# Altium PCB HW_Dron_V2.PcbDoc (part 1 of 2)
Units mil, origin at the board's own origin, x right, y up, seen from the top; angles counter-clockwise.
Board outline 3775.2 x 3550 mil, 2 copper layers (Top Layer, Bottom Layer); 111 components, 150 nets, 616 pads, 477 vias.
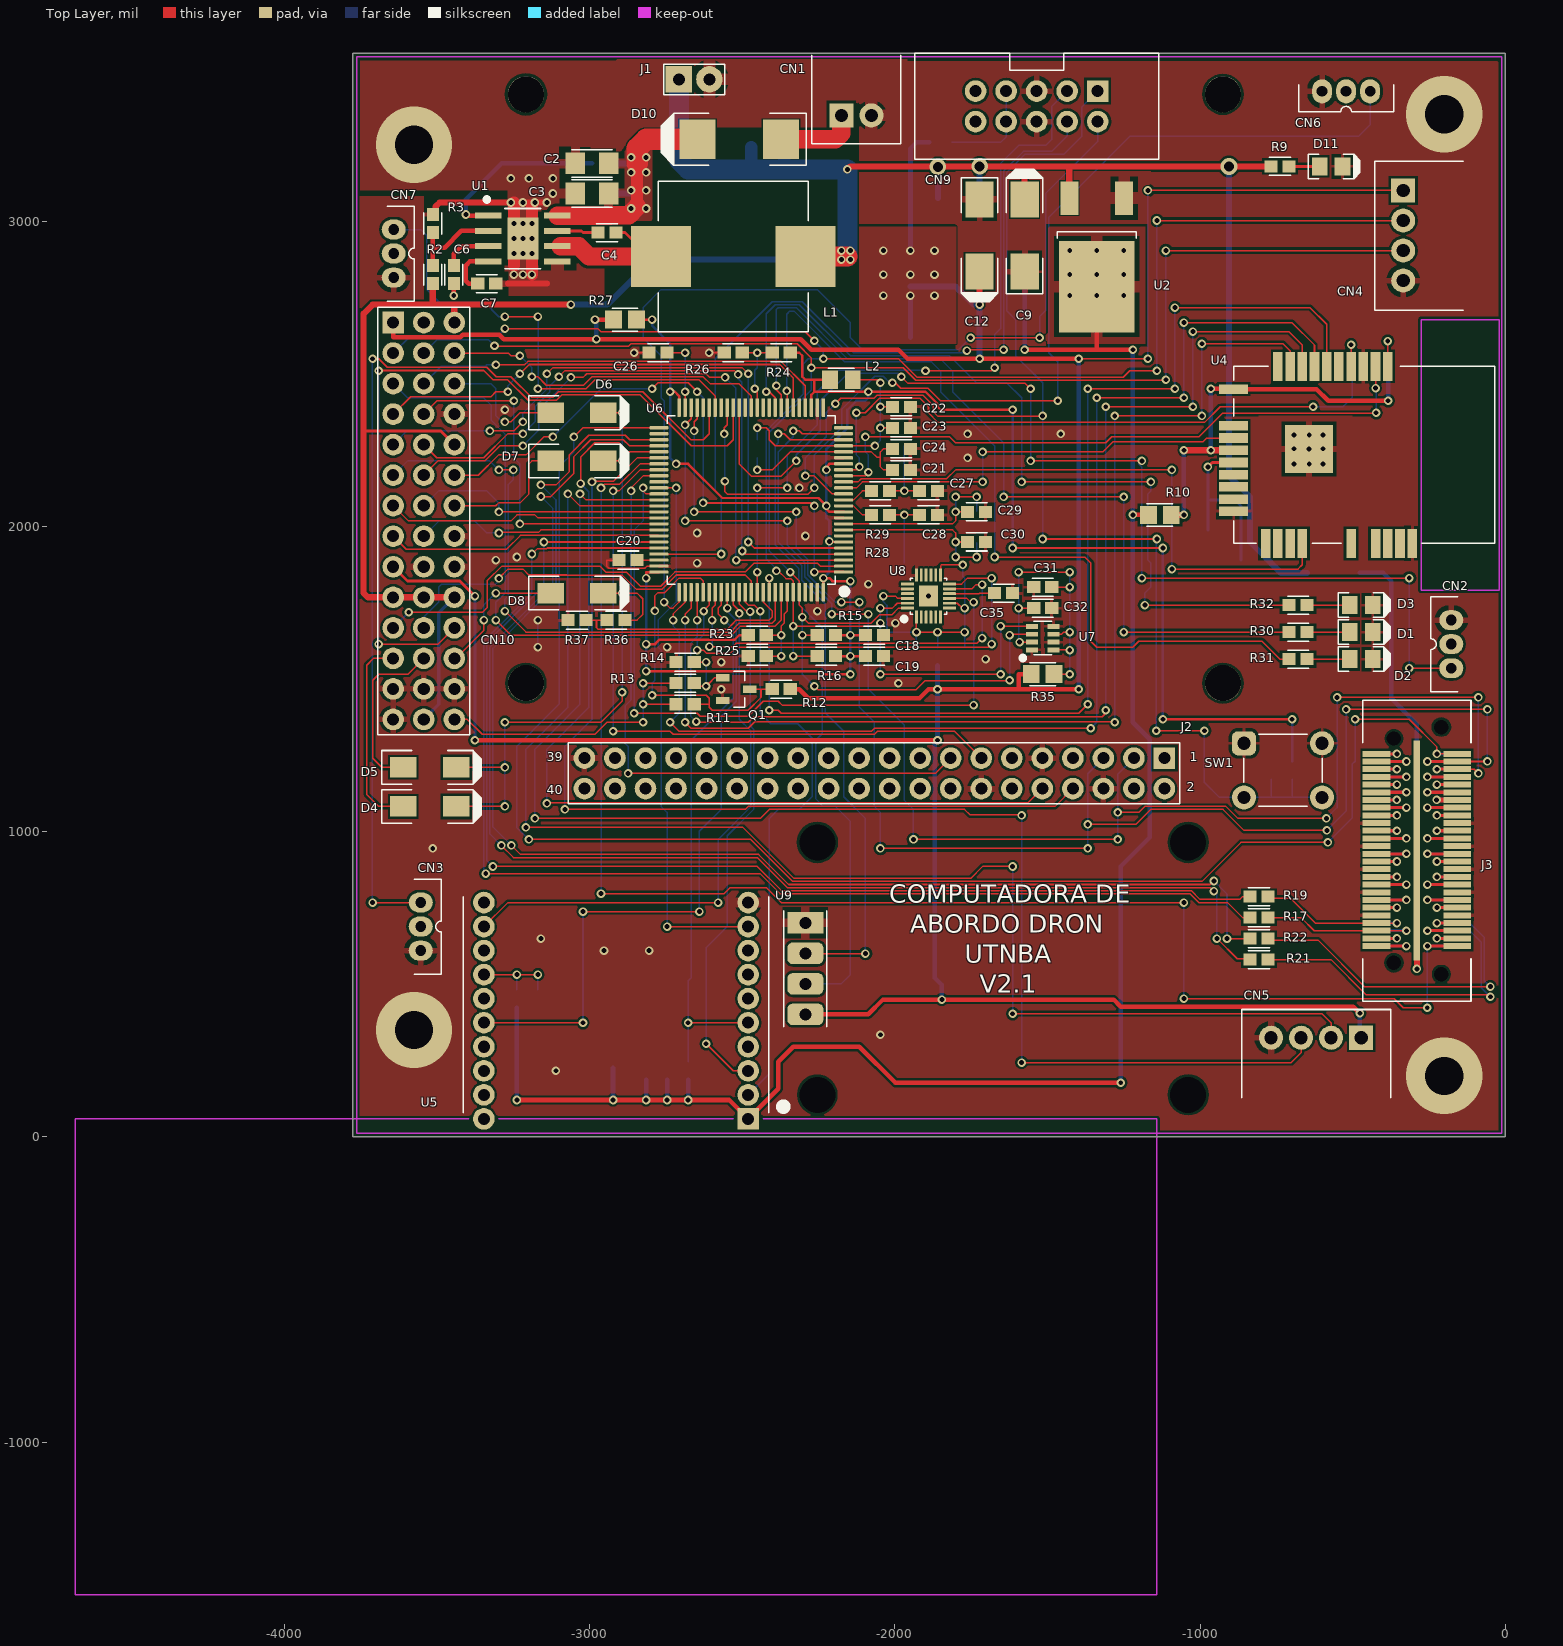
[diagram p0: Top Layer view]
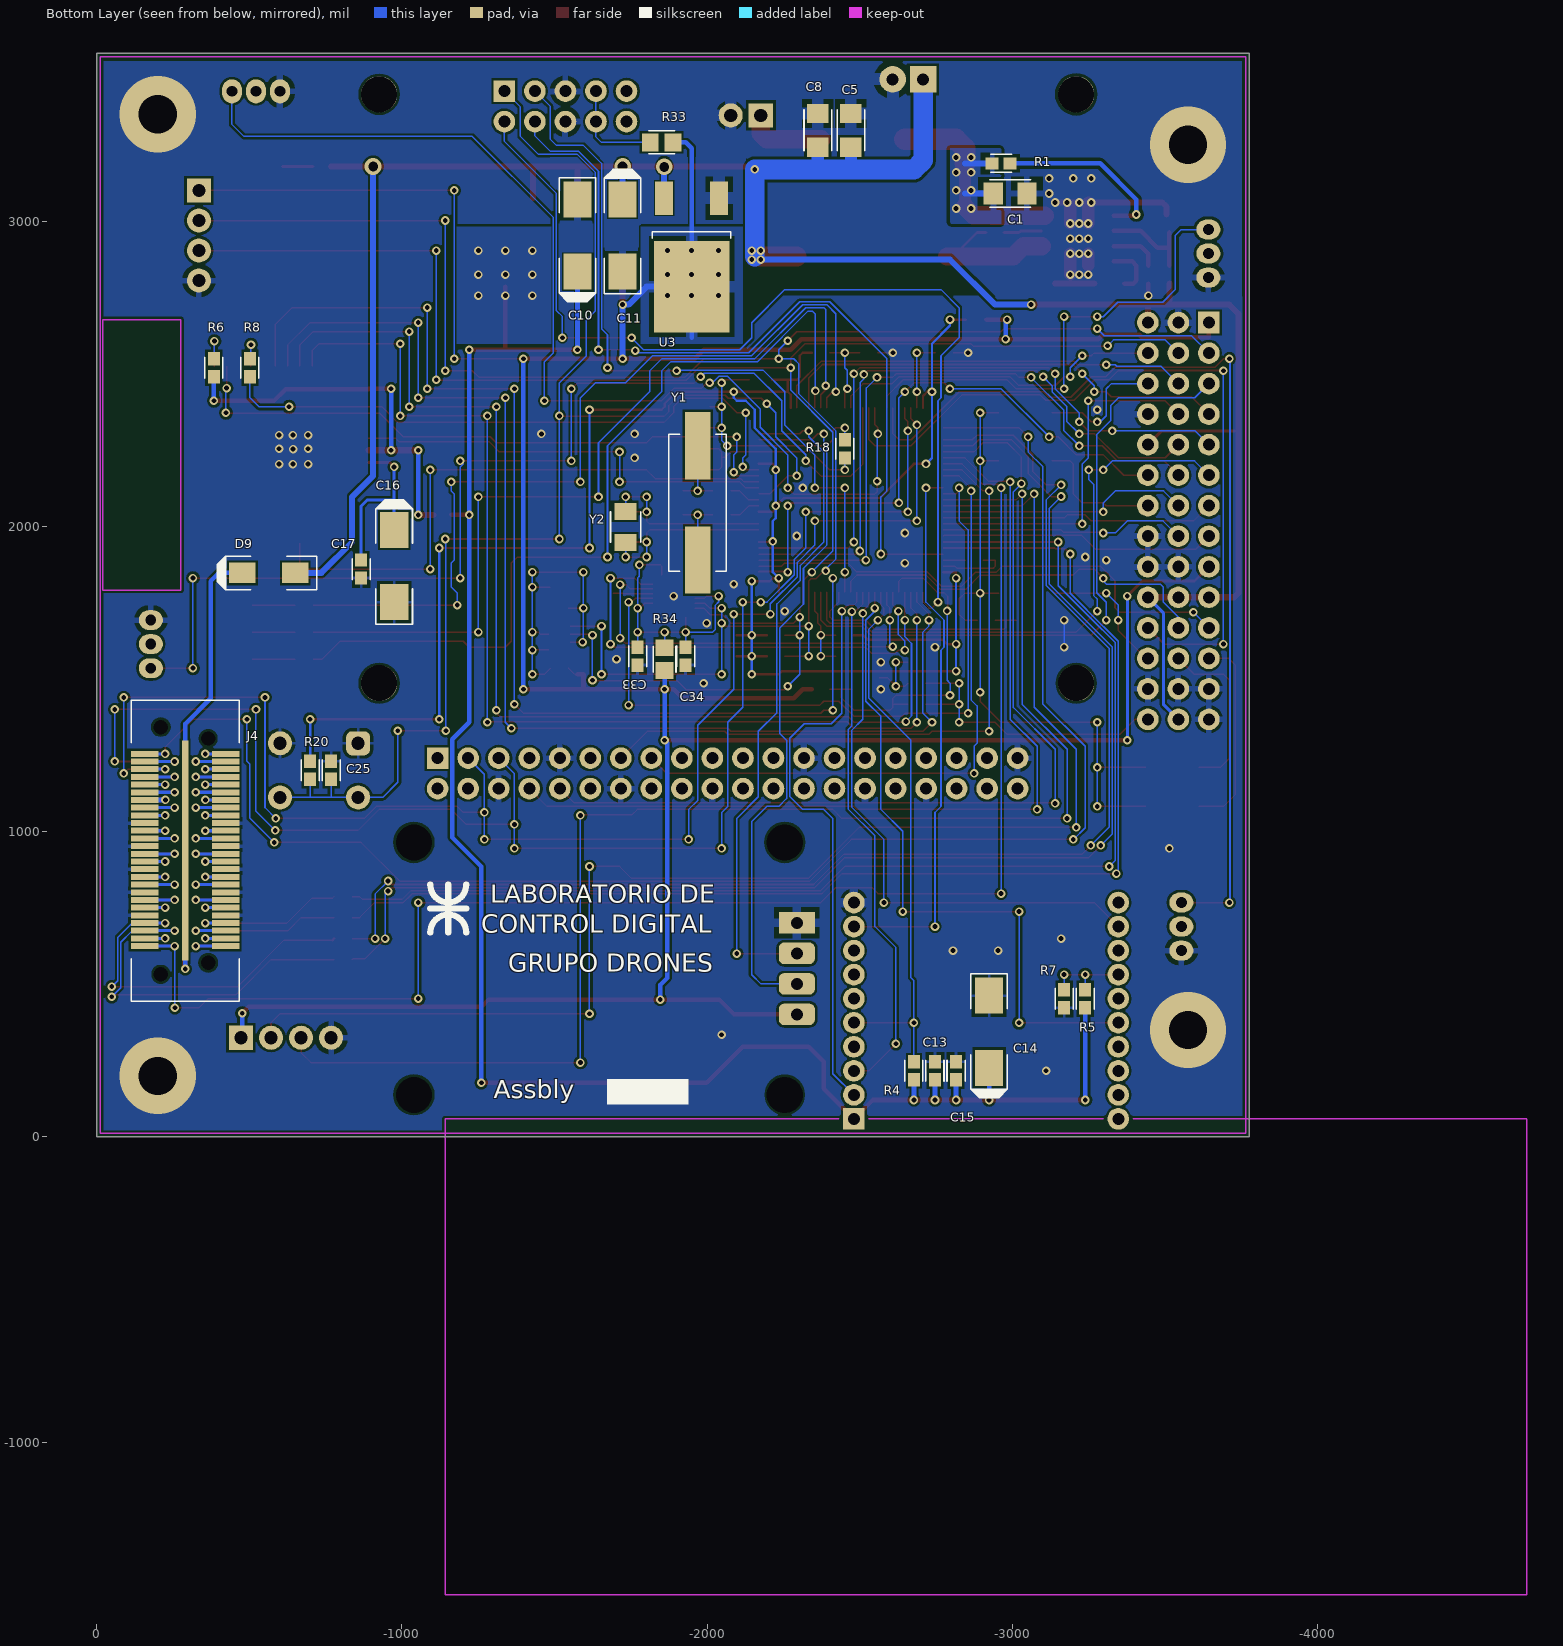
[diagram p1: Bottom Layer view, seen from below]

## Layer stack, top to bottom
Top Solder: solder mask 0.4, Solder Resist, Dk 3.5
Top Layer: signal copper 1.4
Dielectric 1: dielectric 12.6, FR-4, Dk 4.8
Bottom Layer: signal copper 1.4
Bottom Solder: solder mask 0.4, Solder Resist, Dk 3.5

## Board outline
-3775.2,0 -3775.2,3550 0,3550 0,0

## Design rules (kind name [scope] priority, off if disabled: settings)
Clearance GND_TOP_CLEARANCE [InNamedPolygon('GND_TOP')] p1: gap=8
Clearance GND_BOTTOM_CLEARANCE [InNamedPolygon('GND_BOTTOM')] p2: gap=8
Clearance VOUT_CLEARANCE [InNamedPolygon('VOUT_SWITCH')] p3: gap=15
Clearance NETC4_2_CLEARANCE [InNamedPolygon('NETC4_2')] p4: gap=10
Clearance PACK-_CLEARANCE [InNamedPolygon('PACK-')] p5: gap=10
Clearance PACK-_BOTTOM_CLEARANCE [InNamedPolygon('PACK-_BOTTOM')] p6: gap=10
Clearance PACK+_CLEARANCE [InNamedPolygon('PACK+')] p7: gap=10
Clearance CN1_CLEARANCE [InComponent('CN1')] p8: gap=10
Clearance [All] p9: gap=5
ComponentClearance U5 [InComponent('U5')] p1: gap=10 collisioncheckmode=3 verticalgap=0 showdistances=FALSE
ComponentClearance J2 [InComponent('J2')] p2: gap=10 collisioncheckmode=3 verticalgap=0 showdistances=FALSE
ComponentClearance [All] p3: gap=10 collisioncheckmode=3 verticalgap=10 showdistances=FALSE
DiffPairsRouting [All] p1: maxlimit=10 minlimit=5 mostfreqgap=5 toplayer_minwidth=5 toplayer_maxwidth=15 toplayer_prefwidth=5 bottomlayer_minwidth=5 bottomlayer_maxwidth=15 bottomlayer_prefwidth=5 maxuncoupledlength=500
Height [All] p1: minheight=0 maxheight=3937.01 prefheight=500
HoleSize [All] p1: absolutevalues=TRUE maxlimit=800 minlimit=1 maxpercent=80.000 minpercent=20.000
MinimumSolderMaskSliver [All] p1: minsoldermaskwidth=0
PasteMaskExpansion [All] p1: expansion=-1
PolygonConnect VIAS [IsVia] p1: connectstyle=Direct reliefconductorwidth=10 reliefentries=4 polygonreliefangle="90 Angle" airgapwidth=10
PolygonConnect IDC10_CONN [HasFootprint('IDC10M')] p2: connectstyle=Relief reliefconductorwidth=20 reliefentries=4 polygonreliefangle="90 Angle" airgapwidth=15
PolygonConnect S4B_CONN [HasFootprint('S4B-XH-A')] p3: connectstyle=Relief reliefconductorwidth=20 reliefentries=4 polygonreliefangle="90 Angle" airgapwidth=15
PolygonConnect DPAK_CONN [HasFootprint('DPAK')] p4: connectstyle=Relief reliefconductorwidth=40 reliefentries=4 polygonreliefangle="90 Angle" airgapwidth=15
PolygonConnect JST_PH_3_CONN [HasFootprint('JST-PH_3')] p5: connectstyle=Relief reliefconductorwidth=20 reliefentries=4 polygonreliefangle="90 Angle" airgapwidth=15
PolygonConnect C1 [InComponent('C1')] p6: connectstyle=Relief reliefconductorwidth=20 reliefentries=4 polygonreliefangle="90 Angle" airgapwidth=20
PolygonConnect R1 [InComponent('R1')] p7: connectstyle=Relief reliefconductorwidth=15 reliefentries=4 polygonreliefangle="90 Angle" airgapwidth=15
PolygonConnect J2_COMP [InComponent('J2')] p8: connectstyle=Relief reliefconductorwidth=20 reliefentries=4 polygonreliefangle="90 Angle" airgapwidth=10
PolygonConnect CN10 [InComponent('CN10')] p9: connectstyle=Relief reliefconductorwidth=20 reliefentries=4 polygonreliefangle="90 Angle" airgapwidth=10
PolygonConnect C2 [InComponent('C2')] p10: connectstyle=Relief reliefconductorwidth=30 reliefentries=4 polygonreliefangle="90 Angle" airgapwidth=20
PolygonConnect C3 [InComponent('C3')] p11: connectstyle=Relief reliefconductorwidth=30 reliefentries=4 polygonreliefangle="90 Angle" airgapwidth=20
PolygonConnect C7 [InComponent('C7')] p12: connectstyle=Relief reliefconductorwidth=20 reliefentries=4 polygonreliefangle="90 Angle" airgapwidth=20
PolygonConnect C5 [InComponent('C5')] p13: connectstyle=Relief reliefconductorwidth=40 reliefentries=4 polygonreliefangle="90 Angle" airgapwidth=15
PolygonConnect C8 [InComponent('C8')] p14: connectstyle=Relief reliefconductorwidth=40 reliefentries=4 polygonreliefangle="90 Angle" airgapwidth=15
PolygonConnect U9 [InComponent('U9')] p15: connectstyle=Relief reliefconductorwidth=30 reliefentries=4 polygonreliefangle="90 Angle" airgapwidth=15
PolygonConnect U5_ [InComponent('U5')] p16: connectstyle=Relief reliefconductorwidth=30 reliefentries=4 polygonreliefangle="90 Angle" airgapwidth=10
PolygonConnect U1_POLYCONN [IsNamedPolygon('U1_GND')] p17: connectstyle=Relief reliefconductorwidth=20 reliefentries=4 polygonreliefangle="90 Angle" airgapwidth=20
PolygonConnect GND_3V3_BOTTOM_POLYCONN_1 [IsNamedPolygon('GND_3V3_BOTTOM')] p18: connectstyle=Relief reliefconductorwidth=20 reliefentries=4 polygonreliefangle="90 Angle" airgapwidth=20
PolygonConnect GND_3V3_COM_TOP_POLYCONN [IsNamedPolygon('GND_3V3_COM_TOP')] p19: connectstyle=Relief reliefconductorwidth=20 reliefentries=4 polygonreliefangle="90 Angle" airgapwidth=20
PolygonConnect 3V3_BOT_POLYCONN [IsNamedPolygon('3V3_BOTTOM')] p20: connectstyle=Relief reliefconductorwidth=20 reliefentries=4 polygonreliefangle="90 Angle" airgapwidth=10
PolygonConnect 3V3_COM_TOP_POLYCONN [IsNamedPolygon('3V3_COM_TOP')] p21: connectstyle=Relief reliefconductorwidth=20 reliefentries=4 polygonreliefangle="90 Angle" airgapwidth=10
PolygonConnect U4_POLYCONN [IsNamedPolygon('U4')] p22: connectstyle=Relief reliefconductorwidth=20 reliefentries=4 polygonreliefangle="90 Angle" airgapwidth=10
PolygonConnect PACK-_POLYCONN [IsNamedPolygon('PACK-')] p23: connectstyle=Relief reliefconductorwidth=40 reliefentries=4 polygonreliefangle="90 Angle" airgapwidth=20
PolygonConnect PACK-_2_POLYCONN [IsNamedPolygon('PACK-_2')] p24: connectstyle=Relief reliefconductorwidth=40 reliefentries=4 polygonreliefangle="90 Angle" airgapwidth=20
PolygonConnect PACK-_BOTTOM_POLYCONN [IsNamedPolygon('PACK-_BOTTOM')] p25: connectstyle=Relief reliefconductorwidth=40 reliefentries=4 polygonreliefangle="90 Angle" airgapwidth=20
PolygonConnect VOUT_SW_POLYCONN [IsNamedPolygon('VOUT_SWITCH')] p26: connectstyle=Relief reliefconductorwidth=50 reliefentries=4 polygonreliefangle="90 Angle" airgapwidth=20
PolygonConnect PACK+_POLYCONN [IsNamedPolygon('PACK+')] p27: connectstyle=Relief reliefconductorwidth=40 reliefentries=4 polygonreliefangle="90 Angle" airgapwidth=15
PolygonConnect NETC4_2_POLYCONN [IsNamedPolygon('NetC4_2')] p28: connectstyle=Direct reliefconductorwidth=10 reliefentries=4 polygonreliefangle="90 Angle" airgapwidth=10
PolygonConnect [All] p29: connectstyle=Relief reliefconductorwidth=10 reliefentries=4 polygonreliefangle="90 Angle" airgapwidth=10
RoutingVias [All] p1: holewidth=16 width=28 viastyle="Through Hole" minholewidth=16 minwidth=28 maxholewidth=125 maxwidth=250
SilkToSolderMaskClearance [IsPad] p1: minsilkscreentomaskgap=0 clearancetoexposedcopper=TRUE
SolderMaskExpansion [All] p1: expansion=4
UnpouredPolygon [All] p1: allowunpoured=FALSE
Width [All] p1: maxlimit=70 minlimit=5 preferedwidth=5 minimp=50.000000 maximp=50.000000 favimp=50.000000
22 further rules are at their usual default settings.

## Classes and differential pairs
component class Alimentacion: C1 C2 C3 C4 C5 C6 C7 C8 C9 C10 C11 C12 CN1 D10 D11 J1 L1 R1 R2 R3 R9 U1 U2 U3
component class Comunicaciones: C13 C14 C15 C16 C17 Q1 R4 R5 R6 R7 R8 R10 R11 R12 R13 R14 U4 U5
component class MCU: C18 C19 C20 C21 C22 C23 C24 C25 C26 C27 C28 C29 C30 C41 L2 R15 R16 R17 R18 R19 R20 R21 R22 R23 R24 R25 R26 R27 R28 R29 SW1 U6 Y1 Y2
component class Misc: CN2 CN3 CN4 CN5 CN6 CN7 CN9 D1 D2 D3 R30 R31 R32 R33
component class ODROID: J2
component class PCIe_104: D9 J3 J4
component class Sensores: C31 C32 C33 C34 C35 CN10 D4 D5 D6 D7 D8 R34 R35 R36 R37 U7 U8 U9 U13
differential pair USB1: +USB1_P -USB1_N
differential pair USBH: +USBH_P -USBH_N
differential pair USBF: +USBF_P -USBF_N
differential pair USB0: +USB0_P -USB0_N

## Components (designator, comment, footprint, x,y, rotation, side; value= is the part's Value field where it differs from the comment)
C1 "10uF 16V X6S" C1206 -2992.13,3090.55 r180 bottom
C2 "10uF 16V X6S" C1206 -2992.13,3188.98 r180 top
C3 "100nF 25V X8R" C1206 -2992.13,3090.55 r180 top
C4 "100nF 25V X8R" C0603 -2942.91,2962.6 r0 top
C5 "22uF 10V X5R" C1206 -2470.47,3297.24 r90 bottom
C6 "1uF 25V X7R" C0603 -3444.88,2824.8 r270 top
C7 "8200pF 50V X7R" C0603 -3336.61,2795.28 r0 top
C8 "22uF 10V X5R" C1206 -2362.2,3297.24 r90 bottom
C9 "10uF 25V 10% T" AVX_C -1574.8,2952.76 r270 top
C10 "10uF 25V 10% T" AVX_C -1574.8,2952.76 r90 bottom
C11 "10uF 25V 10% T" AVX_C -1722.44,2952.76 r270 bottom
C12 "10uF 25V 10% T" AVX_C -1722.44,2952.76 r90 top
C13 "1uF 25V X7R" C0603 -2746.06,216.54 r90 bottom
C14 "10uF 25V 10% T" AVX_C -2923.23,344.49 r90 bottom
C15 "8,2pF 50V COG 5%" C0603 -2814.96,216.54 r90 bottom
C16 "10uF 25V 10% T" AVX_C -974.41,1870.08 r270 bottom
C17 "10nF 100V X7R" C0603 -866.14,1860.24 r270 bottom
C18 "1uF 25V X7R" C0603 -2066.93,1643.7 r0 top
C19 "100nF 25V X8R" C0603 -2066.93,1574.8 r0 top
C20 "2,2uF 16V X7R" C0603 -2874.02,1889.76 r180 top
C21 "100nF 25V X8R" C0603 -1978.35,2185.04 r0 top
C22 "100nF 25V X8R" C0603 -1978.35,2391.73 r0 top
C23 "1uF 25V X7R" C0603 -1978.35,2322.83 r0 top
C24 "1uF 25V X7R" C0603 -1978.35,2253.94 r0 top
C25 "100nF 25V X8R" C0603 -767.72,1200.79 r90 bottom
C26 "2,2uF 16V X7R" C0603 -2775.59,2568.9 r180 top
C27 "18pF 50V COG 5%" C0603 -1889.76,2116.14 r0 top
C28 "18pF 50V COG 5%" C0603 -1889.76,2037.4 r0 top
C29 "3pF 50V COG 5%" C0603 -1732.28,2047.24 r0 top
C30 "3pF 50V COG 5%" C0603 -1732.28,1948.82 r0 top
C31 "100nF 25V X8R" C0603 -1515.75,1801.18 r180 top
C32 "100nF 25V X8R" C0603 -1515.75,1732.28 r0 top
C33 "100nF 25V X8R" C0603 -1771.65,1574.8 r270 bottom
C34 "10nF 100V X7R" C0603 -1929.13,1574.8 r270 bottom
C35 "100nF 25V X8R" C0603 -1643.7,1781.5 r0 top
CN1 "CONN HEADER XH SIDE 2POS 2.5MM" S2B-XH-A -2125.98,3346.46 r0 top
CN2 "CONN HEADER PH TOP 3POS 2MM" JST-PH_3 -177.17,1614.17 r90 top
CN3 "CONN HEADER PH TOP 3POS 2MM" JST-PH_3 -3553.15,688.98 r270 top
CN4 "JST XH A side 4 pos" S4B-XH-A -334.65,2952.76 r270 top
CN5 "JST XH A side 4 pos" S4B-XH-A -620.08,324.8 r180 top
CN6 "CONN HEADER PH TOP 3POS 2MM" JST-PH_3 -521.65,3425.2 r180 top
CN7 "CONN HEADER PH TOP 3POS 2MM" JST-PH_3 -3641.73,2893.7 r270 top
CN9 "IDC10 Macho Recto P=2.54mm" IDC10M -1535.43,3375.98 r180 top
CN10 "Header_14x3H" HEADER_14X3H -3543.31,2017.72 r0 top
D1 "Led" LED_0805 -472.44,1653.54 r0 top
D2 "Led" LED_0805 -472.44,1564.96 r0 top
D3 "Led" LED_0805 -472.44,1742.13 r0 top
D4 "1N4007" "SMA (DO-214AC)" -3523.62,1082.68 r0 top
D5 "1N4007" "SMA (DO-214AC)" -3523.62,1210.63 r0 top
D6 "1N4007" "SMA (DO-214AC)" -3041.34,2372.05 r0 top
D7 "1N4007" "SMA (DO-214AC)" -3041.34,2214.57 r0 top
D8 "1N4007" "SMA (DO-214AC)" -3041.34,1781.5 r0 top
D9 "1N4007" "SMA (DO-214AC)" -563.75,1847.57 r0 bottom
D10 "Schottky" "SMC (DO-214AB)" -2509.84,3267.72 r180 top
D11 "Led" LED_0805 -570.87,3179.13 r0 top
J1 "CONN HEADER XH SIDE 2POS 2.5MM" 5V_OUT -2657.48,3464.57 r0 top
J2 "HEMB.P/CAB.PLANO 2X20 P=2.54mm" ODROID_C1+_MOUNTUP -2066.93,1190.94 r90 top
J3 "ASP-129637-13" ASP-129637-13 -364.96,570.08 r90 top locked
J4 "ASP-129646-22" ASP-129646-22 -209.84,532.68 r90 bottom locked
L1 "SRP1265A-3R3M" SRP1265A -2529.53,2883.86 r0 top
L2 "600E 0,2mA" L0805 -2175.2,2480.32 r0 top
Q1 "BC847B" SOT23 -2519.69,1466.54 r0 top
R1 "10k 1% 1/10W" R0603 -2962.6,3188.98 r0 bottom
R2 "150k 1% 1/10W" R0603 -3513.78,2824.8 r270 top
R3 "27k 1% 1/10W" R0603 -3513.78,2992.13 r90 top
R4 "100k 1% 1/10W" R0603 -2677.17,216.54 r270 bottom
R5 "10k 1% 1/10W" R0603 -3238.19,452.76 r270 bottom
R6 "1M 1% 1/10W" R0603 -383.86,2519.69 r90 bottom
R7 "10k 1% 1/10W" R0603 -3169.29,452.76 r90 bottom
R8 "0E 1/10W" R0603 -501.97,2519.69 r90 bottom
R9 "" R0603 -738.19,3179.13 r0 top
R10 "0E 1/10W" R0805 -1131.89,2037.4 r0 top
R11 "0E 1/10W" R0603 -2687.01,1417.32 r0 top
R12 "1k 5% 1/10W" R0603 -2372.05,1466.54 r0 top
R13 "2k2 5% 1/10W" R0603 -2687.01,1486.22 r180 top
R14 "3k9 1% 1/10W" R0603 -2687.01,1555.12 r0 top
R15 "1k 5% 1/10W" R0603 -2224.41,1643.7 r180 top
R16 "1k 5% 1/10W" R0603 -2224.41,1574.8 r180 top
R17 "22E 5% 1/10W" R0603 -807.09,718.5 r0 top
R18 "47E 5% 1/10W" R0603 -2450.79,2253.94 r270 bottom
R19 "22E 5% 1/10W" R0603 -807.09,787.4 r0 top
R20 "100k 1% 1/10W" R0603 -698.82,1200.79 r90 bottom
R21 "22E 5% 1/10W" R0603 -807.09,580.71 r0 top
R22 "22E 5% 1/10W" R0603 -807.09,649.61 r0 top
R23 "10k 1% 1/10W" R0603 -2450.79,1643.7 r0 top
R24 "10k 1% 1/10W" R0603 -2372.05,2568.9 r180 top
R25 "470E 1% 1/10W" R0603 -2450.79,1574.8 r0 top
R26 "470E 1% 1/10W" R0603 -2529.53,2568.9 r0 top
R27 "0E 1/10W" R0805 -2883.86,2677.17 r0 top
R28 "0E 1/10W" R0603 -2047.24,2037.4 r0 top
R29 "220E 5% 1/10W" R0603 -2047.24,2116.14 r0 top
R30 "470E 1% 1/10W" R0603 -679.13,1653.54 r180 top
R31 "470E 1% 1/10W" R0603 -679.13,1564.96 r180 top
R32 "470E 1% 1/10W" R0603 -679.13,1742.13 r180 top
R33 "0E 1/10W" R0805 -1850.39,3257.87 r0 bottom
R34 "0E 1/10W" R0805 -1860.24,1564.96 r90 bottom
R35 "0E 1/10W" R0805 -1515.75,1515.75 r0 top
R36 "2k2 5% 1/10W" R0603 -2913.39,1692.91 r0 top
R37 "3k9 1% 1/10W" R0603 -3041.34,1692.91 r0 top
SW1 "TAC-SWITCH 4 CONT.6X6MM (7MM) 180GF" TAC_SW_4 -728.35,1200.79 r180 top
U1 "TPS54627" HSOP-8 -3218.5,2942.91 r270 top
U2 "LM1117DTX-3.3/NOPB" DPAK -1338.58,2903.54 r180 top
U3 "LM1117DTX-3.3/NOPB" DPAK -1948.82,2903.54 r0 bottom
U4 "ATWINC15x0-MR210" ATWINC15x0-MR210PB -462.6,2234.25 r270 top
U5 "XBEE PRO S2C MODULE" XBEEPRO -2913.39,413.39 r0 top
U6 "STM32F407VGT6-100" QFP100 -2470.47,2086.61 r90 top
U7 "BMP280" BMP280 -1515.75,1633.86 r180 top
U8 "MPU9250" MPU9250_HS -1889.76,1771.65 r90 top
U9 "GY-NEO6MV2" GY-NEO6MV2 -2293.31,551.18 r90 top
Y1 "ABLS-8.000MHZ-B2-T" ABLS -1968.5,2076.77 r270 bottom
Y2 "ABS07W-32.768kHz-K-2-T" ABS07W -1732.28,1998.03 r270 bottom

## Footprints (in the part's own frame and the unit in brackets; to place one, negate y for a bottom-side part, rotate by r counter-clockwise, add the part's x,y. Pads: shape width x height; smd on the part's side, far side on the other; paste and mask are expansions set on the pad)
5V_OUT [mm]
  rect 2.2x2.2 hole 1: 1(-1.27,0)
  round 2.2 hole 1: 2(1.27,0)
  silkscreen extent -2.54,-1.27 2.54,1.27
ABLS [mm] "XTAL SMD low profile"
  rect 5.6x2.1 smd: 1(-4.75,0) 2(4.75,0)
  silkscreen extent -5.7,-2.4 5.7,2.4, body extent -6.4,-2.41 6.4,2.42, height 4.3
ABS07W [mm] "32.768KHZ IoT Optimized SMD Crystal"
  rect 1.4x1.8 smd: 1(-1.3,0) 2(1.3,0)
  silkscreen extent -1.25,-1.25 1.25,1.25, body extent -1.61,-0.76 1.61,0.76, height 0.91
ASP-129637-13 [mm] "PCIe/104 OneBank Top Connector"
  rect 0.5x2.3 smd: 1(1.395,-5.275) 2(1.395,1.455) 3(2.035,-5.275) 4(2.035,1.455) 5(2.675,-5.275) 6(2.675,1.455) 7(3.315,-5.275) 8(3.315,1.455) 9(3.955,-5.275) 10(3.955,1.455) 11(4.595,-5.275) 12(4.595,1.455) 13(5.235,-5.275) 14(5.235,1.455) 15(5.875,-5.275) 16(5.875,1.455) 17(6.515,-5.275) 18(6.515,1.455) 19(7.155,-5.275) 20(7.155,1.455) 21(7.795,-5.275) 22(7.795,1.455) 23(8.435,-5.275) 24(8.435,1.455) 25(9.075,-5.275) 26(9.075,1.455) 27(9.715,-5.275) 28(9.715,1.455) 29(10.355,-5.275) 30(10.355,1.455) 31(10.995,-5.275) 32(10.995,1.455) 33(11.635,-5.275) 34(11.635,1.455) 35(12.275,-5.275) 36(12.275,1.455) 37(12.915,-5.275) 38(12.915,1.455) 39(13.555,-5.275) 40(13.555,1.455) 41(14.195,-5.275) 42(14.195,1.455) 43(14.835,-5.275) 44(14.835,1.455) 45(15.475,-5.275) 46(15.475,1.455) 47(16.115,-5.275) 48(16.115,1.455) 49(16.755,-5.275) 50(16.755,1.455) 51(17.395,-5.275) 52(17.395,1.455)
  rect 18.3x0.55 smd: 53(9.335,-1.91)
  rect 0x0 hole 1.2 unplated paste+0 mask+0: ""(0,0) ""(18.67,0)
  silkscreen extent -3.17,-6.41 21.85,2.59, body extent -3.17,-6.41 21.84,2.59, height 8.7
ASP-129646-22 [mm] "PCIe/104 OneBank Bottom Connector"
  rect 0.5x2.3 smd: 1(2.345,1.335) 2(2.345,-5.395) 3(2.985,1.335) 4(2.985,-5.395) 5(3.625,1.335) 6(3.625,-5.395) 7(4.265,1.335) 8(4.265,-5.395) 9(4.905,1.335) 10(4.905,-5.395) 11(5.545,1.335) 12(5.545,-5.395) 13(6.185,1.335) 14(6.185,-5.395) 15(6.825,1.335) 16(6.825,-5.395) 17(7.465,1.335) 18(7.465,-5.395) 19(8.105,1.335) 20(8.105,-5.395) 21(8.745,1.335) 22(8.745,-5.395) 23(9.385,1.335) 24(9.385,-5.395) 25(10.025,1.335) 26(10.025,-5.395) 27(10.665,1.335) 28(10.665,-5.395) 29(11.305,1.335) 30(11.305,-5.395) 31(11.945,1.335) 32(11.945,-5.395) 33(12.585,1.335) 34(12.585,-5.395) 35(13.225,1.335) 36(13.225,-5.395) 37(13.865,1.335) 38(13.865,-5.395) 39(14.505,1.335) 40(14.505,-5.395) 41(15.145,1.335) 42(15.145,-5.395) 43(15.785,1.335) 44(15.785,-5.395) 45(16.425,1.335) 46(16.425,-5.395) 47(17.065,1.335) 48(17.065,-5.395) 49(17.705,1.335) 50(17.705,-5.395) 51(18.345,1.335) 52(18.345,-5.395)
  rect 18.3x0.55 smd: 53(10.285,-2.03)
  rect 0x0 hole 1.2 unplated paste+0 mask+0: ""(0,0) ""(20.57,0)
  silkscreen extent -2.22,-6.53 22.8,2.47, body extent -2.21,-6.53 22.79,2.47, height 9.42
ATWINC15x0-MR210PB [mm] "802.11 b/g/n SmartConnect  IoT Module"
  rect 2.4x0.8 smd: 1(7.365,-8.19) 2(7.365,-7.174) 3(7.365,-6.158) 4(7.365,-5.142) 5(7.365,-1.078) 6(7.365,0.954) 7(7.365,1.97) 8(7.365,2.986) 9(7.365,4.002) 10(-7.365,1.964) 11(-7.365,0.948) 12(-7.365,-0.068) 13(-7.365,-1.084) 14(-7.365,-2.1) 15(-7.365,-3.116) 16(-7.365,-4.132) 17(-7.365,-5.148) 18(-7.365,-6.164) 19(-7.365,-7.18)
  rect 0.8x2.4 smd: 20(-5.465,-10.86) 21(-2.417,-10.86) 22(-1.401,-10.86) 23(-0.385,-10.86) 24(0.631,-10.86) 25(1.647,-10.86) 26(2.663,-10.86) 27(3.679,-10.86) 28(4.695,-10.86)
  rect 4x4 smd: 29(-0.485,-4.59)
  Keep-Out Layer lines w0.127: 11.25,4.75 -11.25,4.75 -11.25,11.25 11.25,11.25 11.25,4.75
  silkscreen extent -7.36,-10.86 7.36,10.86, body extent -7.36,-10.86 7.37,10.86, height 2.11